# KiCad board Sensor_Unit.kicad_pcb
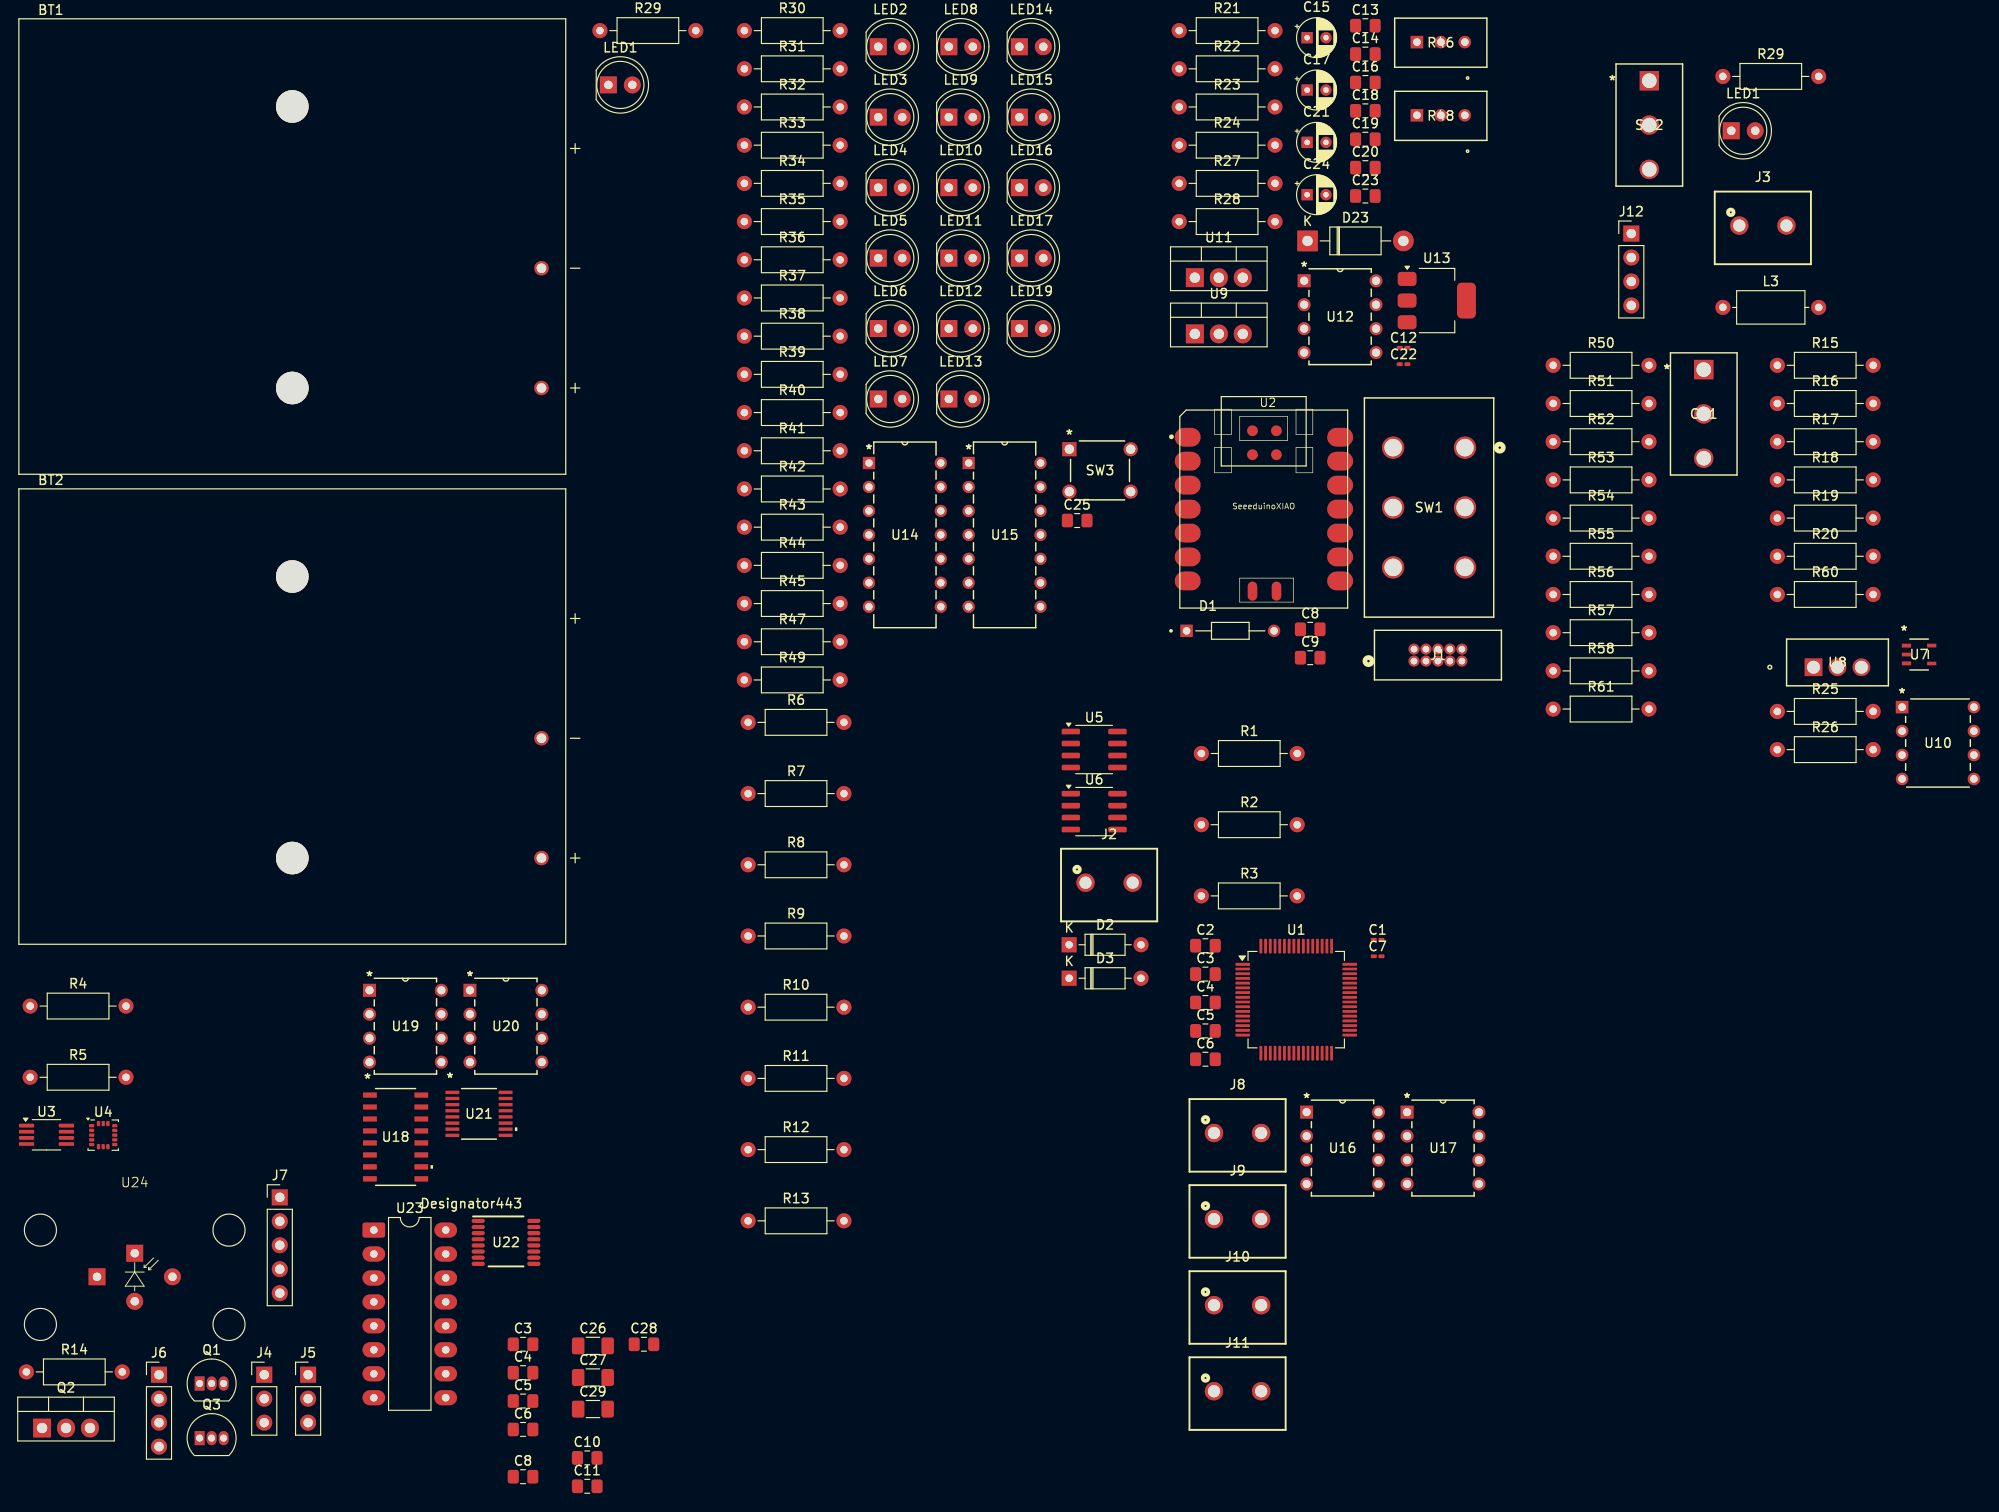
[diagram p0: board, top side]
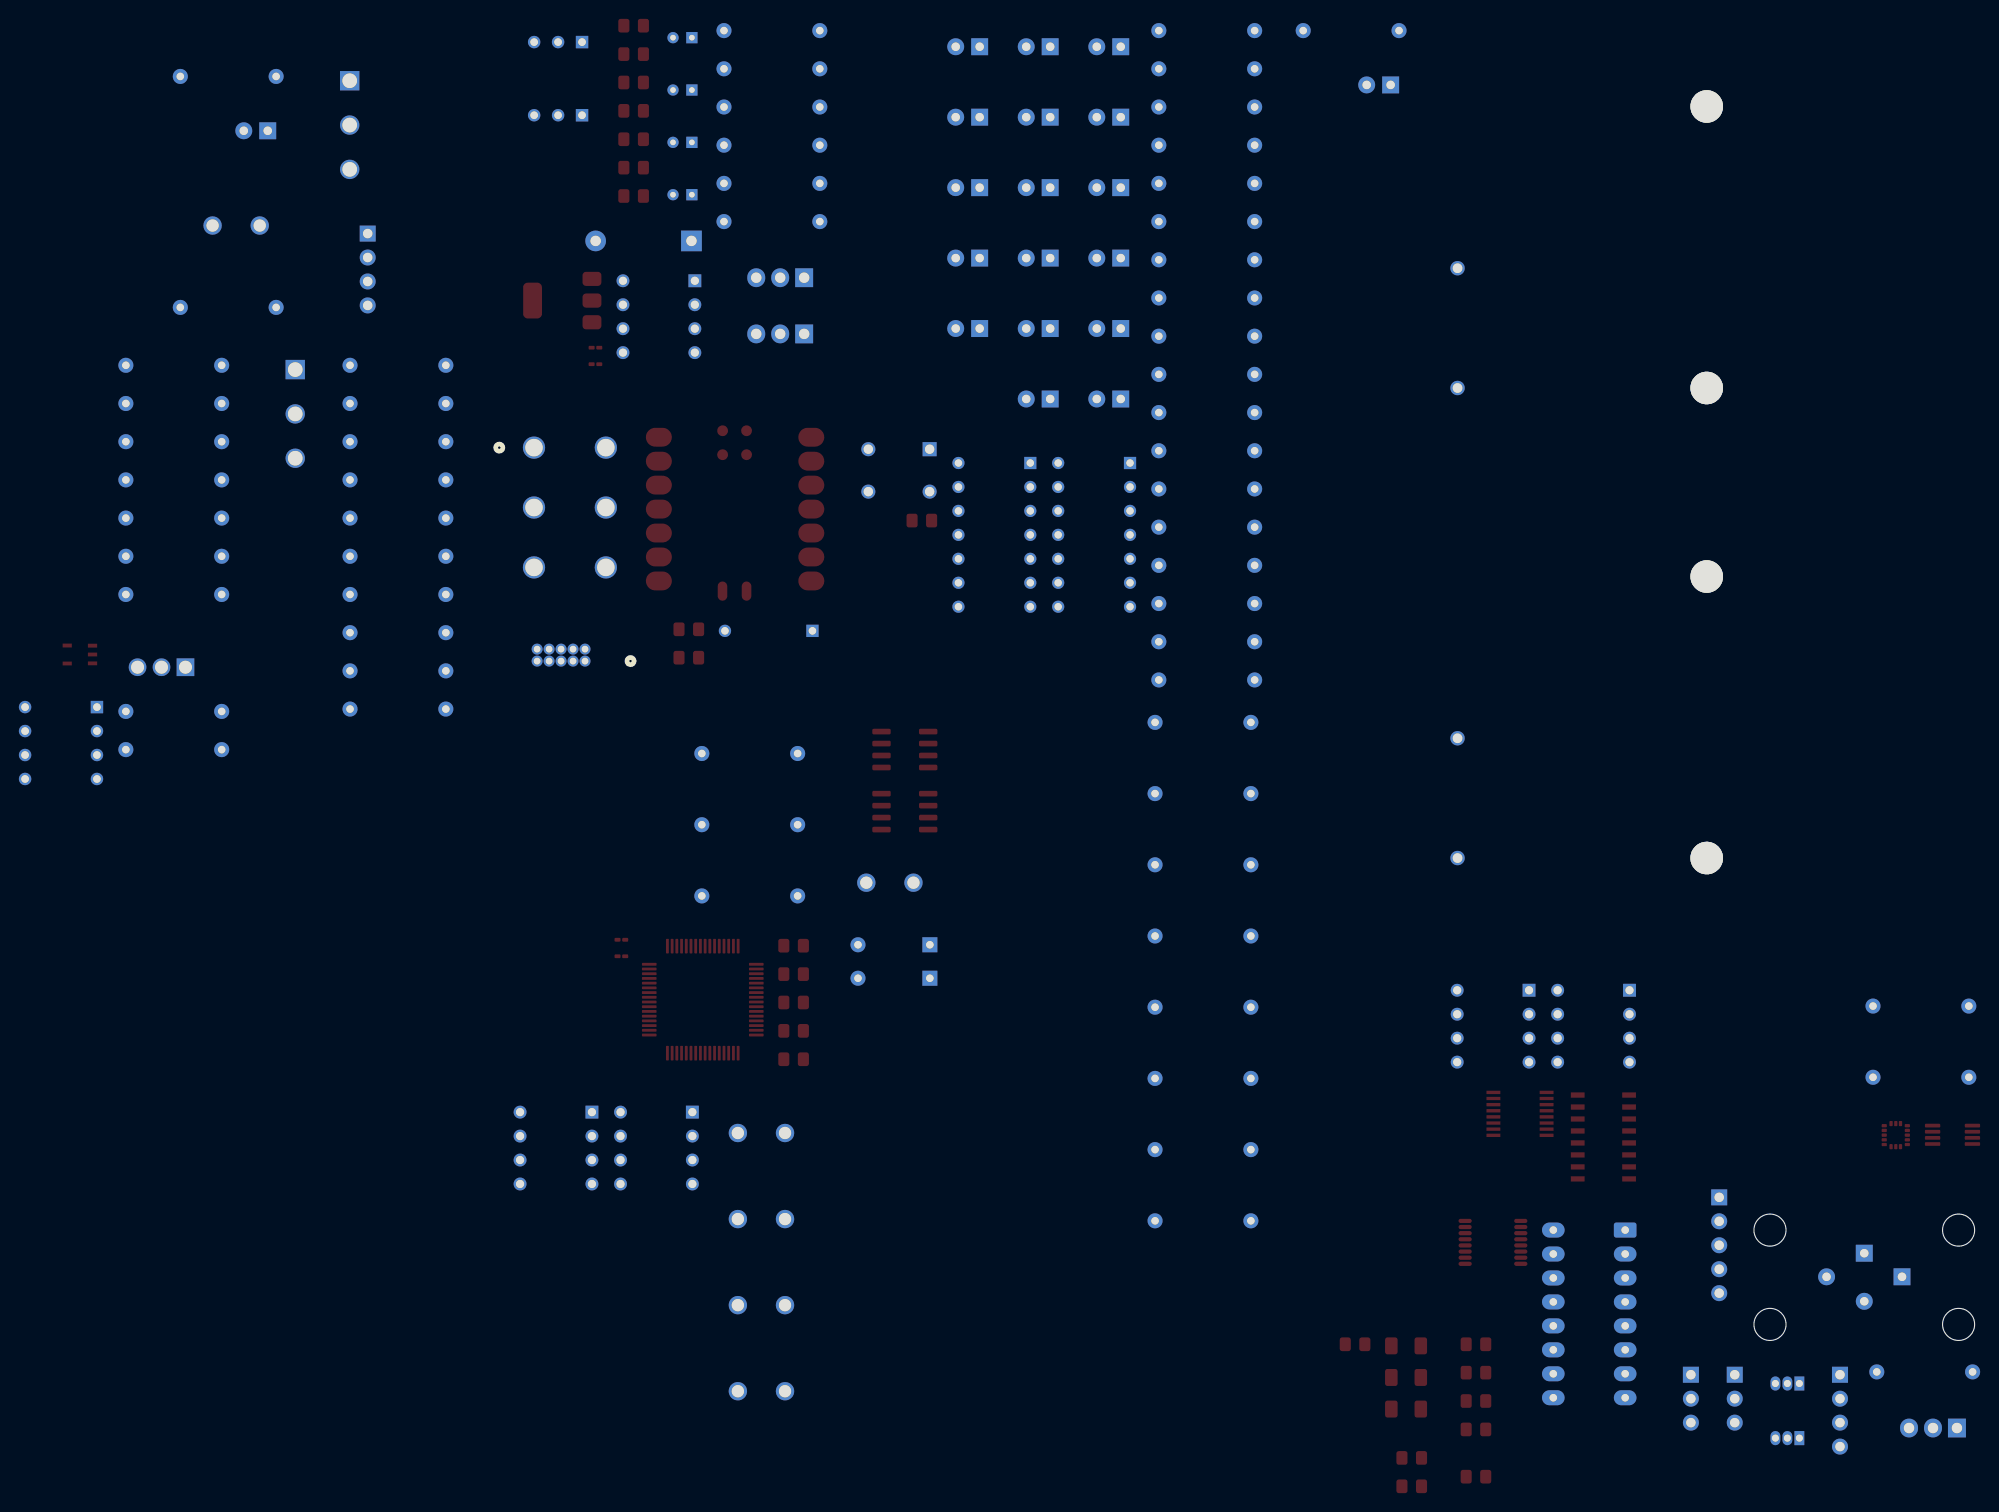
[diagram p1: board, bottom side, seen from below]

Outline 23.4 x 13.4 mm; copper layers: Top, Bottom. Coordinates in mm from the lower left corner of the outline.

## Placement (name value [footprint] x y rotation side)
BT1  2464  [BAT_2464]  28.41 115.99 0 top
BT2  2464  [BAT_2464]  28.41 66.15 0 top
C1  4.7u 10% 10V X5R  [C_0201_0603Metric_Pad0.64x0.40mm_HandSolder]  143.5 42.48 0 top
C2  100n  [C_0805_2012Metric_Pad1.18x1.45mm_HandSolder]  125.23 41.85 0 top
C3  100n  [C_0805_2012Metric_Pad1.18x1.45mm_HandSolder]  125.23 38.84 0 top
C3#2  100n  [C_0805_2012Metric_Pad1.18x1.45mm_HandSolder]  52.88 -0.41 0 top
C4  100n  [C_0805_2012Metric_Pad1.18x1.45mm_HandSolder]  125.23 35.84 0 top
C4#2  100n  [C_0805_2012Metric_Pad1.18x1.45mm_HandSolder]  52.88 -3.41 0 top
C5  100n  [C_0805_2012Metric_Pad1.18x1.45mm_HandSolder]  52.88 -6.43 0 top
C5#2  100n  [C_0805_2012Metric_Pad1.18x1.45mm_HandSolder]  125.23 32.82 0 top
C6  100n  [C_0805_2012Metric_Pad1.18x1.45mm_HandSolder]  125.23 29.81 0 top
C6#2  100n  [C_0805_2012Metric_Pad1.18x1.45mm_HandSolder]  52.88 -9.44 0 top
C7  1UF  [C_0201_0603Metric_Pad0.64x0.40mm_HandSolder]  143.5 40.73 0 top
C8  10u  [C_0805_2012Metric_Pad1.18x1.45mm_HandSolder]  136.34 75.41 0 top
C8#2  10u  [C_0805_2012Metric_Pad1.18x1.45mm_HandSolder]  52.88 -14.44 0 top
C9  10u  [C_0805_2012Metric_Pad1.18x1.45mm_HandSolder]  136.34 72.39 0 top
C10  10u  [C_0805_2012Metric_Pad1.18x1.45mm_HandSolder]  59.69 -12.46 0 top
C11  100n  [C_0805_2012Metric_Pad1.18x1.45mm_HandSolder]  59.69 -15.47 0 top
C12  1UF  [C_0201_0603Metric_Pad0.64x0.40mm_HandSolder]  146.25 105.26 0 top
C13  10u  [C_0805_2012Metric_Pad1.18x1.45mm_HandSolder]  142.19 139.41 0 top
C14  10u  [C_0805_2012Metric_Pad1.18x1.45mm_HandSolder]  142.19 136.39 0 top
C15  22uF  [CP_Radial_D4.0mm_P2.00mm]  136.02 138.13 0 top
C16  10u  [C_0805_2012Metric_Pad1.18x1.45mm_HandSolder]  142.19 133.38 0 top
C17  22uF  [CP_Radial_D4.0mm_P2.00mm]  136.02 132.58 0 top
C18  10u  [C_0805_2012Metric_Pad1.18x1.45mm_HandSolder]  142.19 130.38 0 top
C19  10u  [C_0805_2012Metric_Pad1.18x1.45mm_HandSolder]  142.19 127.36 0 top
C20  10u  [C_0805_2012Metric_Pad1.18x1.45mm_HandSolder]  142.19 124.35 0 top
C21  22uF  [CP_Radial_D4.0mm_P2.00mm]  136.02 127.03 0 top
C22  1UF  [C_0201_0603Metric_Pad0.64x0.40mm_HandSolder]  146.25 103.51 0 top
C23  10u  [C_0805_2012Metric_Pad1.18x1.45mm_HandSolder]  142.19 121.34 0 top
C24  22uF  [CP_Radial_D4.0mm_P2.00mm]  136.02 121.48 0 top
C25  100n  [C_0805_2012Metric_Pad1.18x1.45mm_HandSolder]  111.63 86.94 0 top
C26  0.1uF  [C_1206_3216Metric_Pad1.33x1.80mm_HandSolder]  60.29 -0.58 0 top
C27  0.1uF  [C_1206_3216Metric_Pad1.33x1.80mm_HandSolder]  60.29 -3.93 0 top
C28  330pF  [C_0805_2012Metric_Pad1.18x1.45mm_HandSolder]  65.7 -0.41 0 top
C29  0.1uF  [C_1206_3216Metric_Pad1.33x1.80mm_HandSolder]  60.29 -7.28 0 top
CR1  BZX55C3V3-TAP  [DO-35_VIS]  178.08 102.94 0 top
D1  7.5V 500mW 5%  [DIOAD928W47L399D179]  127.87 75.24 0 top
D2  1N4148  [D_DO-35_SOD27_P7.62mm_Horizontal]  110.78 41.95 0 top
D3  1N4148  [D_DO-35_SOD27_P7.62mm_Horizontal]  110.78 38.41 0 top
D23  1N5819  [D_DO-41_SOD81_P10.16mm_Horizontal]  136.06 116.58 0 top
J1  ETSG: 07-20-01  [CONN_3220-10-0100-00_CNC]  147.35 72.03 0 top
J2  Screw_Terminal_01x02  [691137710002]  115.02 48.54 0 top
J3  Screw_Terminal_01x02  [691137710002]  184.34 118.22 0 top
J4  Conn_01x03_Pin  [PinHeader_1x03_P2.54mm_Vertical]  25.43 -3.63 0 top
J5  Conn_01x03_Pin  [PinHeader_1x03_P2.54mm_Vertical]  30.08 -3.63 0 top
J6  Conn_01x04_Pin  [PinHeader_1x04_P2.54mm_Vertical]  14.27 -3.63 0 top
J7  Conn_01x05_Pin  [PinHeader_1x05_P2.54mm_Vertical]  27.08 15.17 0 top
J8  Screw_Terminal_01x02  [691137710002]  128.64 22 0 top
J9  Screw_Terminal_01x02  [691137710002]  128.64 12.87 0 top
J10  Screw_Terminal_01x02  [691137710002]  128.64 3.74 0 top
J11  Screw_Terminal_01x02  [691137710002]  128.64 -5.38 0 top
J12  Conn_01x04_Pin  [PinHeader_1x04_P2.54mm_Vertical]  170.39 117.36 0 top
L3  10uH  [L_Axial_L7.0mm_D3.3mm_P10.16mm_Horizontal_Fastron_MICC]  180.1 109.53 0 top
LED1  BLUE  [LED_D5.0mm_Clear]  61.92 133.12 0 top
LED1#2  BLUE  [LED_D5.0mm_Clear]  181 128.26 0 top
LED2  BLUE  [LED_D5.0mm_Clear]  90.54 137.18 0 top
LED3  BLUE  [LED_D5.0mm_Clear]  90.54 129.7 0 top
LED4  BLUE  [LED_D5.0mm_Clear]  90.54 122.23 0 top
LED5  BLUE  [LED_D5.0mm_Clear]  90.54 114.76 0 top
LED6  BLUE  [LED_D5.0mm_Clear]  90.54 107.29 0 top
LED7  BLUE  [LED_D5.0mm_Clear]  90.54 99.83 0 top
LED8  BLUE  [LED_D5.0mm_Clear]  98.02 137.18 0 top
LED9  BLUE  [LED_D5.0mm_Clear]  98.02 129.7 0 top
LED10  BLUE  [LED_D5.0mm_Clear]  98.02 122.23 0 top
LED11  BLUE  [LED_D5.0mm_Clear]  98.02 114.76 0 top
LED12  BLUE  [LED_D5.0mm_Clear]  98.02 107.29 0 top
LED13  BLUE  [LED_D5.0mm_Clear]  98.02 99.83 0 top
LED14  BLUE  [LED_D5.0mm_Clear]  105.5 137.18 0 top
LED15  BLUE  [LED_D5.0mm_Clear]  105.5 129.7 0 top
LED16  BLUE  [LED_D5.0mm_Clear]  105.5 122.23 0 top
LED17  BLUE  [LED_D5.0mm_Clear]  105.5 114.76 0 top
LED19  GREEN  [LED_D5.0mm_Clear]  105.5 107.29 0 top
Q1  2N3904  [TO-92_Inline]  18.58 -4.56 0 top
Q2  IRF9540N  [TO-220-3_Vertical]  1.87 -9.28 0 top
Q3  2N3904  [TO-92_Inline]  18.58 -10.35 0 top
R1  330R 1% 0.100W  [R_Axial_DIN0207_L6.3mm_D2.5mm_P10.16mm_Horizontal]  124.81 62.23 0 top
R2  330R 1% 0.100W  [R_Axial_DIN0207_L6.3mm_D2.5mm_P10.16mm_Horizontal]  124.81 54.69 0 top
R3  330R 1% 0.100W  [R_Axial_DIN0207_L6.3mm_D2.5mm_P10.16mm_Horizontal]  124.81 47.13 0 top
R4  3.3K  [R_Axial_DIN0207_L6.3mm_D2.5mm_P10.16mm_Horizontal]  0.61 35.45 0 top
R5  3.3K  [R_Axial_DIN0207_L6.3mm_D2.5mm_P10.16mm_Horizontal]  0.61 27.91 0 top
R6  13.4K  [R_Axial_DIN0207_L6.3mm_D2.5mm_P10.16mm_Horizontal]  76.74 65.53 0 top
R7  134K  [R_Axial_DIN0207_L6.3mm_D2.5mm_P10.16mm_Horizontal]  76.74 57.98 0 top
R8  6.7K  [R_Axial_DIN0207_L6.3mm_D2.5mm_P10.16mm_Horizontal]  76.74 50.44 0 top
R9  670  [R_Axial_DIN0207_L6.3mm_D2.5mm_P10.16mm_Horizontal]  76.74 42.88 0 top
R10  0R  [R_Axial_DIN0207_L6.3mm_D2.5mm_P10.16mm_Horizontal]  76.74 35.34 0 top
R11  0R  [R_Axial_DIN0207_L6.3mm_D2.5mm_P10.16mm_Horizontal]  76.74 27.78 0 top
R12  0R  [R_Axial_DIN0207_L6.3mm_D2.5mm_P10.16mm_Horizontal]  76.74 20.23 0 top
R13  0R  [R_Axial_DIN0207_L6.3mm_D2.5mm_P10.16mm_Horizontal]  76.74 12.69 0 top
R14  15  [R_Axial_DIN0207_L6.3mm_D2.5mm_P10.16mm_Horizontal]  0.21 -3.34 0 top
R15  100  [R_Axial_DIN0207_L6.3mm_D2.5mm_P10.16mm_Horizontal]  185.88 103.4 0 top
R16  10K  [R_Axial_DIN0207_L6.3mm_D2.5mm_P10.16mm_Horizontal]  185.88 99.35 0 top
R17  15  [R_Axial_DIN0207_L6.3mm_D2.5mm_P10.16mm_Horizontal]  185.88 95.3 0 top
R18  1K  [R_Axial_DIN0207_L6.3mm_D2.5mm_P10.16mm_Horizontal]  185.88 91.25 0 top
R19  1K  [R_Axial_DIN0207_L6.3mm_D2.5mm_P10.16mm_Horizontal]  185.88 87.2 0 top
R20  1K  [R_Axial_DIN0207_L6.3mm_D2.5mm_P10.16mm_Horizontal]  185.88 83.15 0 top
R21  1K  [R_Axial_DIN0207_L6.3mm_D2.5mm_P10.16mm_Horizontal]  122.45 138.88 0 top
R22  1K  [R_Axial_DIN0207_L6.3mm_D2.5mm_P10.16mm_Horizontal]  122.45 134.83 0 top
R23  150K  [R_Axial_DIN0207_L6.3mm_D2.5mm_P10.16mm_Horizontal]  122.45 130.78 0 top
R24  10K  [R_Axial_DIN0207_L6.3mm_D2.5mm_P10.16mm_Horizontal]  122.45 126.73 0 top
R25  47K  [R_Axial_DIN0207_L6.3mm_D2.5mm_P10.16mm_Horizontal]  185.88 66.7 0 top
R26  10K  [R_Axial_DIN0207_L6.3mm_D2.5mm_P10.16mm_Horizontal]  185.88 62.65 0 top
R27  47K  [R_Axial_DIN0207_L6.3mm_D2.5mm_P10.16mm_Horizontal]  122.45 122.69 0 top
R28  47K  [R_Axial_DIN0207_L6.3mm_D2.5mm_P10.16mm_Horizontal]  122.45 118.63 0 top
R29  R_US  [R_Axial_DIN0207_L6.3mm_D2.5mm_P10.16mm_Horizontal]  61.03 138.88 0 top
R29#2  R_US  [R_Axial_DIN0207_L6.3mm_D2.5mm_P10.16mm_Horizontal]  180.1 134.03 0 top
R30  R_US  [R_Axial_DIN0207_L6.3mm_D2.5mm_P10.16mm_Horizontal]  76.34 138.88 0 top
R31  R_US  [R_Axial_DIN0207_L6.3mm_D2.5mm_P10.16mm_Horizontal]  76.34 134.83 0 top
R32  R_US  [R_Axial_DIN0207_L6.3mm_D2.5mm_P10.16mm_Horizontal]  76.34 130.78 0 top
R33  R_US  [R_Axial_DIN0207_L6.3mm_D2.5mm_P10.16mm_Horizontal]  76.34 126.73 0 top
R34  R_US  [R_Axial_DIN0207_L6.3mm_D2.5mm_P10.16mm_Horizontal]  76.34 122.69 0 top
R35  R_US  [R_Axial_DIN0207_L6.3mm_D2.5mm_P10.16mm_Horizontal]  76.34 118.63 0 top
R36  R_US  [R_Axial_DIN0207_L6.3mm_D2.5mm_P10.16mm_Horizontal]  76.34 114.58 0 top
R37  R_US  [R_Axial_DIN0207_L6.3mm_D2.5mm_P10.16mm_Horizontal]  76.34 110.53 0 top
R38  R_US  [R_Axial_DIN0207_L6.3mm_D2.5mm_P10.16mm_Horizontal]  76.34 106.48 0 top
R39  R_US  [R_Axial_DIN0207_L6.3mm_D2.5mm_P10.16mm_Horizontal]  76.34 102.44 0 top
R40  R_US  [R_Axial_DIN0207_L6.3mm_D2.5mm_P10.16mm_Horizontal]  76.34 98.38 0 top
R41  R_US  [R_Axial_DIN0207_L6.3mm_D2.5mm_P10.16mm_Horizontal]  76.34 94.33 0 top
R42  R_US  [R_Axial_DIN0207_L6.3mm_D2.5mm_P10.16mm_Horizontal]  76.34 90.28 0 top
R43  R_US  [R_Axial_DIN0207_L6.3mm_D2.5mm_P10.16mm_Horizontal]  76.34 86.23 0 top
R44  R_US  [R_Axial_DIN0207_L6.3mm_D2.5mm_P10.16mm_Horizontal]  76.34 82.19 0 top
R45  R_US  [R_Axial_DIN0207_L6.3mm_D2.5mm_P10.16mm_Horizontal]  76.34 78.13 0 top
R46  3296W-1-104LF  [POT_3296W]  147.67 137.67 0 top
R47  1K 1% 0W125 100R  [R_Axial_DIN0207_L6.3mm_D2.5mm_P10.16mm_Horizontal]  76.34 74.08 0 top
R48  3296W-1-104LF  [POT_3296W]  147.67 129.91 0 top
R49  62R 5% 0.100W  [R_Axial_DIN0207_L6.3mm_D2.5mm_P10.16mm_Horizontal]  76.34 70.03 0 top
R50  10K  [R_Axial_DIN0207_L6.3mm_D2.5mm_P10.16mm_Horizontal]  162.11 103.4 0 top
R51  5K  [R_Axial_DIN0207_L6.3mm_D2.5mm_P10.16mm_Horizontal]  162.11 99.35 0 top
R52  5K  [R_Axial_DIN0207_L6.3mm_D2.5mm_P10.16mm_Horizontal]  162.11 95.3 0 top
R53  10K  [R_Axial_DIN0207_L6.3mm_D2.5mm_P10.16mm_Horizontal]  162.11 91.25 0 top
R54  10K  [R_Axial_DIN0207_L6.3mm_D2.5mm_P10.16mm_Horizontal]  162.11 87.2 0 top
R55  1K  [R_Axial_DIN0207_L6.3mm_D2.5mm_P10.16mm_Horizontal]  162.11 83.15 0 top
R56  1K  [R_Axial_DIN0207_L6.3mm_D2.5mm_P10.16mm_Horizontal]  162.11 79.1 0 top
R57  1K  [R_Axial_DIN0207_L6.3mm_D2.5mm_P10.16mm_Horizontal]  162.11 75.05 0 top
R58  1K  [R_Axial_DIN0207_L6.3mm_D2.5mm_P10.16mm_Horizontal]  162.11 71 0 top
R60  100  [R_Axial_DIN0207_L6.3mm_D2.5mm_P10.16mm_Horizontal]  185.88 79.1 0 top
R61  10K  [R_Axial_DIN0207_L6.3mm_D2.5mm_P10.16mm_Horizontal]  162.11 66.95 0 top
SW1  S201031MS02Q  [SW6_S201031MS02Q_CNK]  152.76 94.67 0 top
SW2  SLW-1276864-4A-D  [SLW-1276864_CUD]  172.3 133.57 0 top
SW3  1825910-6  [SW4_1825910-B_TEC]  117.31 90 0 top
U1  STM32L431RCT6  [LQFP-64_10x10mm_P0.5mm]  134.86 36.13 0 top
U2  SeeeduinoXIAO  [Seeeduino XIAO-MOUDLE14P-2.54-21X17.8MM]  122.52 77.65 0 top
U3  MCP9808_MSOP  [MSOP-8_3x3mm_P0.65mm]  2.34 21.81 0 top
U4  LIS3DH  [LGA-16_3x3mm_P0.5mm_LayoutBorder3x5y]  8.36 21.77 0 top
U5  LM334M 10 µA  [SOIC-8_3.9x4.9mm_P1.27mm]  113.44 62.66 0 top
U6  LM334M 200 µA  [SOIC-8_3.9x4.9mm_P1.27mm]  113.44 56.08 0 top
U7  AP3012KTR-G1  [SOT-23-5_DIO]  200.91 72.73 0 top
U8  LM340T-15/NOPB  [T03B_TEX]  189.72 71.38 0 top
U9  LM7805_TO220  [TO-220-3_Vertical]  124.11 106.72 0 top
U10  NJU7662D-ND  [NJR-DIP8_NJR]  199.1 67.16 0 top
U11  LM7905_TO220  [TO-220-3_Vertical]  124.11 112.69 0 top
U12  -  [TL072]  143.33 104.74 0 top
U13  AMS1117-3.3  [SOT-223-3_TabPin2]  149.76 110.26 0 top
U14  CD74HCT164E  [N14]  97.18 77.8 0 top
U15  CD74HCT164E  [N14]  107.75 77.8 0 top
U16  -  [TL072]  143.59 16.59 0 top
U17  -  [TL072]  154.24 16.59 0 top
U18  DG509BEY-T1-E3  [SOIC_8BEY-T1-E3_VIS]  39.36 21.58 0 top
U19  -  [TL072]  44.22 29.51 0 top
U20  -  [TL072]  54.87 29.51 0 top
U21  AD5262BRUZ50  [RU_16_ADI]  48.21 24.03 0 top
U22  ADS1119IPWR  [PW0016A_N]  51.07 10.4 0 top
U23  NAU7802KGI  [DIP-16_W7.62mm_LongPads]  37.05 11.7 0 top
U24  ~  [OPTIC3800T3]  11.7 16.75 0 top

## Library data of the parts
BT1 BT2 = -: PARTREV: G; STANDARD: Manufacturer Recommendations; MAXIMUM_PACKAGE_HEIGHT: 17.37mm; MANUFACTURER: Keystone
C1 = -: Description: 4.7u; Field5: 10%; Field6: 10V; Field7: X5R; ki_fp_filters: C_*
C2 C3#2 C4#2 C5 C6#2 C11 = -: Description: ETSG: 64-04-12; Field6: 10%; Field7: 50V; Field8: X7R; ki_fp_filters: C_*
C3 C4 C5#2 C6 C8 C8#2 C9 C15 C17 C21 C24 C26-C29 = -: Description: Unpolarized capacitor; ki_fp_filters: C_*
C7 = -: Description: 1uF; Field5: 10%; Field6: 50V; Field7: X7R; ki_fp_filters: C_*
C10 C13 C14 C16 C18-C20 C23 = -: Description: Unpolarized capacitor; Field5: 10uF; Field6: 10%; Field7: 16V; Field8: X5R; ki_fp_filters: C_*
C12 C22 = -: Description: 1uF /10% /50V /X7R; ki_fp_filters: C_*
C25 = -: Description: ETSG: 64-04-12; Field5: 100n /10% /50V /X7R; ki_fp_filters: C_*
CR1 = -: ki_fp_filters: DO-35_VIS
D1 = -: Description: ETSG: 04-61-01; PARTREV: G1804; MANUFACTURER: Taiwan Semiconductor; MAXIMUM_PACKAGE_HEIGHT: 2.28 mm; STANDARD: IPC-7351B
D2 D3 = -: Datasheet: https://assets.nexperia.com/documents/data-sheet/1N4148_1N4448.pdf; Description: 100V 0.15A standard switching diode, DO-35; Sim.Device: D; Sim.Pins: 1=K 2=A; ki_fp_filters: D*DO?35*
D23 = -: Datasheet: http://www.vishay.com/docs/88525/1n5817.pdf; Description: 40V 1A Schottky Barrier Rectifier Diode, DO-41; ki_fp_filters: D*DO?41*
J1 = -: Datasheet: 3220-10-0100-00; Description: J-Link Connector; Field5: 10 pins / 1.27mm / Box Header / Surface Mount; ki_fp_filters: CONN_3220-10-0100-00_CNC
J4 J5 = -: Description: Generic connector, single row, 01x03, script generated; ki_fp_filters: Connector*:*_1x??_*
J6 J12 = -: Description: Generic connector, single row, 01x04, script generated; ki_fp_filters: Connector*:*_1x??_*
J7 = -: Description: Generic connector, single row, 01x05, script generated; ki_fp_filters: Connector*:*_1x??_*
L3 = -: Description: Inductor; ki_fp_filters: Choke_* *Coil* Inductor_* L_*
LED1 LED1#2 = -: Description: Light emitting diode; Sim.Pins: 1=K 2=A; Field6: POWER LED; ki_fp_filters: LED* LED_SMD:* LED_THT:*
LED2-LED17 LED19 = -: Description: Light emitting diode; Sim.Pins: 1=K 2=A; ki_fp_filters: LED* LED_SMD:* LED_THT:*
Q1 Q3 = -: Datasheet: https://www.onsemi.com/pub/Collateral/2N3903-D.PDF; Description: 0.2A Ic, 40V Vce, Small Signal NPN Transistor, TO-92; ki_fp_filters: TO?92*
Q2 = -: Datasheet: http://www.irf.com/product-info/datasheets/data/irf9540n.pdf; Description: -23A Id, -100V Vds, 117mOhm Rds, P-Channel HEXFET Power MOSFET, TO-220; ki_fp_filters: TO?220*
R1-R29 R29#2 R30-R45 R47 R49-R58 R60 R61 = -: Description: Resistor, US symbol; ki_fp_filters: R_*
R46 R48 = -: ki_fp_filters: POT_3296W
SW1 = -: ki_fp_filters: SW6_S201031MS02Q_CNK
SW2 = -: ki_fp_filters: SLW-1276864_CUD
SW3 = -: ki_fp_filters: SW4_1825910-B_TEC
U1 = -: Datasheet: https://www.st.com/resource/en/datasheet/stm32l431rc.pdf; Description: STMicroelectronics Arm Cortex-M4 MCU, 256KB flash, 64KB RAM, 80 MHz, 1.71-3.6V, 52 GPIO, LQFP64; ki_fp_filters: LQFP*10x10mm*P0.5mm*
U3 = -: Datasheet: http://ww1.microchip.com/downloads/en/DeviceDoc/22203b.pdf; Description: ±0.25°C (±0.5°C) Typical (Maximum), Digital Temperature Sensor, MSOP-8; ki_fp_filters: MSOP*3x3mm*P0.65mm*
U4 = -: Datasheet: https://www.st.com/resource/en/datasheet/cd00274221.pdf; Description: 3-Axis Accelerometer, 2/4/8/16g range, I2C/SPI interface, LGA-16; ki_fp_filters: LGA*3x3mm*P0.5mm*LayoutBorder3x5y*
U5 U6 = -: Datasheet: http://www.ti.com/lit/ds/symlink/lm134.pdf; Description: 1μA to 10mA 3-Terminal Adjustable Current Source, SO-8; ki_fp_filters: SOIC*3.9x4.9m*P1.27mm*
U7 = -: ki_fp_filters: SOT-23-5_DIO SOT-23-5_DIO-M SOT-23-5_DIO-L
U8 = -: ki_fp_filters: T03B_TEX
U9 = -: Datasheet: https://www.onsemi.cn/PowerSolutions/document/MC7800-D.PDF; Description: Positive 1A 35V Linear Regulator, Fixed Output 5V, TO-220; ki_fp_filters: TO?220*
U10 = -: ki_fp_filters: NJR-DIP8_NJR
U11 = -: Datasheet: https://www.onsemi.com/pub/Collateral/MC7900-D.PDF; Description: Negative 1A 35V Linear Regulator, Fixed Output 5V, TO-220; ki_fp_filters: TO?220*
U12 U16 U17 U19 U20 = -: Datasheet: http://www.ti.com/lit/ds/symlink/tl071.pdf; Description: Dual Low-Noise JFET-Input Operational Amplifiers, DIP-8/SOIC-8; ki_fp_filters: SOIC*3.9x4.9mm*P1.27mm* DIP*W7.62mm* TO*99* OnSemi*Micro8* TSSOP*3x3mm*P0.65mm* TSSOP*4.4x3mm*P0.65mm* MSOP*3x3mm*P0.65mm* SSOP*3.9x4.9mm*P0.635mm* LFCSP*2x2mm*P0.5mm* *SIP* SOIC*5.3x6.2mm*P1.27mm*
U13 = -: Datasheet: http://www.advanced-monolithic.com/pdf/ds1117.pdf; Description: 1A Low Dropout regulator, positive, 3.3V fixed output, SOT-223; ki_fp_filters: SOT?223*TabPin2*
U14 U15 = -: ki_fp_filters: N14
U18 = -: ki_fp_filters: SOIC_8BEY-T1-E3_VIS SOIC_8BEY-T1-E3_VIS-M SOIC_8BEY-T1-E3_VIS-L
U21 = -: ki_fp_filters: RU_16_ADI RU_16_ADI-M RU_16_ADI-L
U22 = -: ki_fp_filters: PW0016A_N PW0016A_M PW0016A_L
U23 = -: MF: Nuvoton Technology; MAXIMUM_PACKAGE_HEIGHT: 5.334mm; Package: Package; Price: None; Check_prices: https://www.snapeda.com/parts/NAU7802KGI/Nuvoton/view-part/?ref=eda; STANDARD: IPC 7351B; PARTREV: 2.6; SnapEDA_Link: https://www.snapeda.com/parts/NAU7802KGI/Nuvoton/view-part/?ref=snap; Description_1: 24 Bit Analog to Digital Converter 2 Input 1 Sigma-Delta 16-PDIP; Availability: In Stock; MANUFACTURER: Nuvoton

## Footprints (pads in the part's own frame, mm; a bottom-side part is the same pattern mirrored in y, then rotated)
691137710002
  round 1.95 hole 1.3: 1(-2.5,0) 2(2.5,0)
BAT_2464
  round 3.45 hole 3.45 unplated: (0,14.85) (0,-15)
  round 1.53 hole 1.02: N(26.42,-2.3) P(26.42,-15)
C_0201_0603Metric_Pad0.64x0.40mm_HandSolder
  rrect 0.458x0.36 smd: (-0.432,0) (0.432,0)
  rrect 0.635x0.4 smd: 1(-0.407,0) 2(0.407,0)
C_0805_2012Metric_Pad1.18x1.45mm_HandSolder
  rrect 1.175x1.45 smd: 1(-1.038,0) 2(1.038,0)
C_1206_3216Metric_Pad1.33x1.80mm_HandSolder
  rrect 1.325x1.8 smd: 1(-1.562,0) 2(1.562,0)
CONN_3220-10-0100-00_CNC
  round 1.168 hole 0.711: 1(0,0) 2(0,1.27) 3(1.27,0) 4(1.27,1.27) 5(2.54,0) 6(2.54,1.27) 7(3.81,0) 8(3.81,1.27) 9(5.08,0) 10(5.08,1.27)
CP_Radial_D4.0mm_P2.00mm
  rect 1.2x1.2 hole 0.6: 1(0,0)
  round 1.2 hole 0.6: 2(2,0)
D_DO-35_SOD27_P7.62mm_Horizontal
  rect 1.6x1.6 hole 0.8: 1(0,0)
  oval 1.6x1.6 hole 0.8: 2(7.62,0)
D_DO-41_SOD81_P10.16mm_Horizontal
  rect 2.2x2.2 hole 1.1: 1(0,0)
  oval 2.2x2.2 hole 1.1: 2(10.16,0)
DIOAD928W47L399D179
  round 1.308 hole 0.8: A(4.64,0)
  rect 1.308x1.308 hole 0.8: C(-4.64,0)
DIP-16_W7.62mm_LongPads
  rrect 2.4x1.6 hole 0.8: 1(0,0)
  oval 2.4x1.6 hole 0.8: 2(0,-2.54) 3(0,-5.08) 4(0,-7.62) 5(0,-10.16) 6(0,-12.7) 7(0,-15.24) 8(0,-17.78) 9(7.62,-17.78) 10(7.62,-15.24) 11(7.62,-12.7) 12(7.62,-10.16) 13(7.62,-7.62) 14(7.62,-5.08) 15(7.62,-2.54) 16(7.62,0)
DO-35_VIS
  rect 2.057x2.057 hole 1.549: 1(0,0)
  round 2.057 hole 1.549: 2(0,-4.7) 3(0,-9.4)
L_Axial_L7.0mm_D3.3mm_P10.16mm_Horizontal_Fastron_MICC
  round 1.6 hole 0.8: 1(0,0)
  oval 1.6x1.6 hole 0.8: 2(10.16,0)
LED_D5.0mm_Clear
  rect 1.8x1.8 hole 0.9: 1(0,0)
  round 1.8 hole 0.9: 2(2.54,0)
LGA-16_3x3mm_P0.5mm_LayoutBorder3x5y
  rrect 0.55x0.35 smd: 1(-1.225,1) 2(-1.225,0.5) 3(-1.225,0) 4(-1.225,-0.5) 5(-1.225,-1) 9(1.225,-1) 10(1.225,-0.5) 11(1.225,0) 12(1.225,0.5) 13(1.225,1)
  rrect 0.35x0.55 smd: 6(-0.5,-1.225) 7(0,-1.225) 8(0.5,-1.225) 14(0.5,1.225) 15(0,1.225) 16(-0.5,1.225)
LQFP-64_10x10mm_P0.5mm
  rrect 1.55x0.3 smd: 1(-5.675,3.75) 2(-5.675,3.25) 3(-5.675,2.75) 4(-5.675,2.25) 5(-5.675,1.75) 6(-5.675,1.25) 7(-5.675,0.75) 8(-5.675,0.25) 9(-5.675,-0.25) 10(-5.675,-0.75) 11(-5.675,-1.25) 12(-5.675,-1.75) 13(-5.675,-2.25) 14(-5.675,-2.75) 15(-5.675,-3.25) 16(-5.675,-3.75) 33(5.675,-3.75) 34(5.675,-3.25) 35(5.675,-2.75) 36(5.675,-2.25) 37(5.675,-1.75) 38(5.675,-1.25) 39(5.675,-0.75) 40(5.675,-0.25) 41(5.675,0.25) 42(5.675,0.75) 43(5.675,1.25) 44(5.675,1.75) 45(5.675,2.25) 46(5.675,2.75) 47(5.675,3.25) 48(5.675,3.75)
  rrect 0.3x1.55 smd: 17(-3.75,-5.675) 18(-3.25,-5.675) 19(-2.75,-5.675) 20(-2.25,-5.675) 21(-1.75,-5.675) 22(-1.25,-5.675) 23(-0.75,-5.675) 24(-0.25,-5.675) 25(0.25,-5.675) 26(0.75,-5.675) 27(1.25,-5.675) 28(1.75,-5.675) 29(2.25,-5.675) 30(2.75,-5.675) 31(3.25,-5.675) 32(3.75,-5.675) 49(3.75,5.675) 50(3.25,5.675) 51(2.75,5.675) 52(2.25,5.675) 53(1.75,5.675) 54(1.25,5.675) 55(0.75,5.675) 56(0.25,5.675) 57(-0.25,5.675) 58(-0.75,5.675) 59(-1.25,5.675) 60(-1.75,5.675) 61(-2.25,5.675) 62(-2.75,5.675) 63(-3.25,5.675) 64(-3.75,5.675)
MSOP-8_3x3mm_P0.65mm
  rrect 1.625x0.4 smd: 1(-2.112,0.975) 2(-2.112,0.325) 3(-2.112,-0.325) 4(-2.112,-0.975) 5(2.112,-0.975) 6(2.112,-0.325) 7(2.112,0.325) 8(2.112,0.975)
N14
  rect 1.295x1.295 hole 0.787: 1(-7.62,15.24)
  round 1.295 hole 0.787: 2(-7.62,12.7) 3(-7.62,10.16) 4(-7.62,7.62) 5(-7.62,5.08) 6(-7.62,2.54) 7(-7.62,0) 8(0,0) 9(0,2.54) 10(0,5.08) 11(0,7.62) 12(0,10.16) 13(0,12.7) 14(0,15.24)
NJR-DIP8_NJR
  rect 1.321x1.321 hole 0.813: 1(0,0)
  round 1.321 hole 0.813: 2(0,-2.54) 3(0,-5.08) 4(0,-7.62) 5(7.62,-7.62) 6(7.62,-5.08) 7(7.62,-2.54) 8(7.62,0)
OPTIC3800T3
  rect 1.8x1.8 hole 0.9: 1(0,-7.5) 3(-4,-10)
  round 1.8 hole 0.9: 2(0,-12.6) 4(4,-10)
PinHeader_1x03_P2.54mm_Vertical
  rect 1.7x1.7 hole 1: 1(0,0)
  oval 1.7x1.7 hole 1: 2(0,-2.54) 3(0,-5.08)
PinHeader_1x04_P2.54mm_Vertical
  rect 1.7x1.7 hole 1: 1(0,0)
  oval 1.7x1.7 hole 1: 2(0,-2.54) 3(0,-5.08) 4(0,-7.62)
PinHeader_1x05_P2.54mm_Vertical
  rect 1.7x1.7 hole 1: 1(0,0)
  oval 1.7x1.7 hole 1: 2(0,-2.54) 3(0,-5.08) 4(0,-7.62) 5(0,-10.16)
POT_3296W
  round 1.321 hole 0.813: 1(5.08,0) 2(2.54,0)
  rect 1.321x1.321 hole 0.813: 3(0,0)
PW0016A_N
  oval 1.4x0.45 smd: 1(-2.95,2.275) 2(-2.95,1.625) 3(-2.95,0.975) 4(-2.95,0.325) 5(-2.95,-0.325) 6(-2.95,-0.975) 7(-2.95,-1.625) 8(-2.95,-2.275) 9(2.95,-2.275) 10(2.95,-1.625) 11(2.95,-0.975) 12(2.95,-0.325) 13(2.95,0.325) 14(2.95,0.975) 15(2.95,1.625) 16(2.95,2.275)
R_Axial_DIN0207_L6.3mm_D2.5mm_P10.16mm_Horizontal
  round 1.6 hole 0.8: 1(0,0)
  oval 1.6x1.6 hole 0.8: 2(10.16,0)
RU_16_ADI
  rect 1.473x0.356 smd: 1(-2.819,2.275) 2(-2.819,1.625) 3(-2.819,0.975) 4(-2.819,0.325) 5(-2.819,-0.325) 6(-2.819,-0.975) 7(-2.819,-1.625) 8(-2.819,-2.275) 9(2.819,-2.275) 10(2.819,-1.625) 11(2.819,-0.975) 12(2.819,-0.325) 13(2.819,0.325) 14(2.819,0.975) 15(2.819,1.625) 16(2.819,2.275)
Seeeduino XIAO-MOUDLE14P-2.54-21X17.8MM
  oval 2.748x1.999 smd: 1(0.833,18.118) 2(0.833,15.578) 3(0.833,13.038) 4(0.833,10.498) 5(0.833,7.958) 6(0.833,5.418) 7(0.833,2.878) 8(16.998,2.878) 9(16.998,5.418) 10(16.998,7.958) 11(16.998,10.498) 12(16.998,13.038) 13(16.998,15.578) 14(16.998,18.118)
  oval 1.016x2.032 smd: 15(7.7,1.8) 16(10.25,1.8)
  round 1.143 smd: 17(7.699,18.804) 18(10.239,18.804) 19(7.699,16.264) 20(10.239,16.264)
SLW-1276864_CUD
  rect 2.057x2.057 hole 1.549: 1(0,0)
  round 2.057 hole 1.549: 2(0,-4.7) 3(0,-9.4)
SOIC-8_3.9x4.9mm_P1.27mm
  rrect 1.95x0.6 smd: 1(-2.475,1.905) 2(-2.475,0.635) 3(-2.475,-0.635) 4(-2.475,-1.905) 5(2.475,-1.905) 6(2.475,-0.635) 7(2.475,0.635) 8(2.475,1.905)
SOIC_8BEY-T1-E3_VIS
  rect 1.46x0.559 smd: 1(-2.724,4.445) 2(-2.724,3.175) 3(-2.724,1.905) 4(-2.724,0.635) 5(-2.724,-0.635) 6(-2.724,-1.905) 7(-2.724,-3.175) 8(-2.724,-4.445) 9(2.724,-4.445) 10(2.724,-3.175) 11(2.724,-1.905) 12(2.724,-0.635) 13(2.724,0.635) 14(2.724,1.905) 15(2.724,3.175) 16(2.724,4.445)
SOT-23-5_DIO
  rect 0.978x0.406 smd: 1(-1.34,0.94) 2(-1.34,0) 3(-1.34,-0.94) 4(1.34,-0.953) 5(1.34,0.953)
SOT-223-3_TabPin2
  rrect 2x1.5 smd: 1(-3.15,2.3) 2(-3.15,0) 3(-3.15,-2.3)
  rrect 2x3.8 smd: 2(3.15,0)
SW4_1825910-B_TEC
  rect 1.499x1.499 hole 0.991: 1(-6.5,4.5)
  round 1.499 hole 0.991: 2(0,4.5) 3(-6.5,0) 4(0,0)
SW6_S201031MS02Q_CNK
  round 2.362 hole 1.854: 1(0,0) 2(0,-6.35) 3(0,-12.7) 4(-7.62,0) 5(-7.62,-6.35) 6(-7.62,-12.7)
T03B_TEX
  rect 1.88x1.88 hole 1.372: 1(0,0)
  round 1.88 hole 1.372: 2(2.54,0) 3(5.08,0)
TL072
  rect 1.372x1.372 hole 0.864: 1(-7.62,7.62)
  round 1.372 hole 0.864: 2(-7.62,5.08) 3(-7.62,2.54) 4(-7.62,0) 5(0,0) 6(0,2.54) 7(0,5.08) 8(0,7.62)
TO-92_Inline
  rect 1.05x1.5 hole 0.75: 1(0,0)
  oval 1.05x1.5 hole 0.75: 2(1.27,0) 3(2.54,0)
TO-220-3_Vertical
  rect 1.905x2 hole 1.1: 1(0,0)
  oval 1.905x2 hole 1.1: 2(2.54,0) 3(5.08,0)

## Nets
17V: C13.1 C14.1 D23.1 R23.2 U8.1
+3.3V: C26.1 C27.1 J5.3 U22.3 U22.9 U22.12 U22.13 U23.1 U23.15
+3V3: C1.1 C2.1 C3.1 C3#2.1 C4.1 C4#2.1 C5.1 C5#2.1 C6.1 C6#2.1 C7.1 C9.1 C24.1 J1.1 J6.1 J7.2 Q1.3 Q2.3 R20.2 R27.2 R29.2 R29#2.2 R48.3 SW1.4 U1.1 U1.19 U1.32 U1.48 U1.64 U13.2 U14.2 U14.9 U14.14 U15.2 U15.9 U15.14 U18.2 U21.6 U21.10 U21.13 U24.1
+5V: C8.1 C8#2.1 C17.1 C23.1 D1.C J7.1 R16.2 U9.3 U13.3 U21.5
+9V: C12.2 L3.1 R21.2 SW2.1 U7.5
+15V: C15.1 C16.1 C22.2 U8.3 U9.1 U10.8 U12.8 U16.8 U17.8 U18.14 U19.8 U20.8
-1V65: R57.1 U12.1 U12.2
-5V: C21.1 U11.2 U21.12
-15V: C19.1 C20.1 R25.2 R46.1 U10.5 U11.3 U12.4 U16.4 U17.4 U18.3 U19.4 U20.4
GND: BT2.N C1.2 C2.2 C3.2 C3#2.2 C4.2 C4#2.2 C5.2 C5#2.2 C6.2 C6#2.2 C7.2 C8.2 C8#2.2 C9.2 C10.2 C11.2 C12.1 C13.2 C14.2 C15.2 C16.2 C17.2 C19.2 C20.2 C21.2 C22.1 C23.2 C24.2 C26.2 C27.2 C29.2 CR1.2 J1.2 J1.3 J1.5 J2.2 J3.2 J4.1 J7.5 J8.2 J9.2 J10.2 J11.2 LED1.1 LED1#2.1 LED2.1 LED3.1 LED4.1 LED5.1 LED6.1 LED7.1 LED8.1 LED9.1 LED10.1 LED11.1 LED12.1 LED13.1 LED14.1 LED15.1 LED16.1 LED17.1 LED19.1 Q3.1 R19.1 R22.1 R24.1 R26.1 R28.1 R46.3 R47.2 R48.1 R51.1 R54.1 R55.1 R61.1 SW2.3 U1.12 U1.13 U1.18 U1.31 U1.47 U1.63 U2.13 U3.4 U3.5 U3.6 U4.5 U4.7 U4.10 U4.12 U7.2 U8.2 U9.2 U10.3 U11.1 U13.1 U14.7 U15.7 U18.15 U21.11 U21.14 U22.1 U22.2 U22.4 U22.5 U22.6 U22.7 U22.8 U23.7 U23.8 U23.9
VDD +3.3V: C10.1 C11.1 R4.2 R5.2 U3.7 U3.8 U4.1 U4.8 U4.14
VDD +10V: U5.4 U6.4
/Optical Link/FD_AN: J6.2 R18.1 U24.2
/Optical Link/LED_AN: J5.2 J6.4 U24.4
/Optical Link/LED_CA: J4.2 J6.3 U24.3
/range_switching/POT_1B: R56.1 U19.7 U21.4
/range_switching/POT_1W: R54.2 U19.6 U21.3
/range_switching/POT_2W: R53.2 U19.5 U21.15
/Sensor MCU/SCK: U1.23
/Sensor MCU/SPI_MISO: R3.1
/Sensor MCU/SPI_MISO_WEAK: R3.2
/Sensor MCU/SPI_SCK: R1.1
/Xiao and Jlink/JLink_SWO: J1.8
ADC1_IN1: J12.3 U1.8
ADC1_IN2: U1.9 U12.6 U12.7 U22.10 U23.2
ADS1119_AINP: J12.1 U22.11
ALARM_CLK: U1.11 U14.8 U15.8
ALARM_LED: U1.10 U14.1
AMUX_A0: U1.61 U18.1
AMUX_A1: U1.62 U18.16
CH1_Buffered: U16.1 U16.2 U18.4
CH2_Buffered: U16.6 U16.7 U18.5
CH3_Buffered: U17.1 U17.2 U18.6
CH4_Buffered: U17.6 U17.7 U18.7
CS_POT: U1.24 U21.9
I2C_SCL: R4.1 U1.58 U3.2 U4.4 U22.16 U23.13
I2C_SDA: R5.1 U1.59 U3.1 U4.6 U22.15 U23.14
JLink_CLK: J1.7 U1.49
JLink_RST: C25.2 J1.10 SW3.3 SW3.4 U1.7
JLink_SW0: U1.55
JLink_SWDIO: J1.6 U1.46
NAU7802_VIN1P: J12.4 U23.3
POWER_LED: U1.28
RX_OPTICAL: J7.4 Q3.3 R20.1 U1.17
SAMPLING_LED: R49.2 U1.27
SPI_CLK: R1.2 U21.7
SPI_MOSI: R2.1 R2.2 U21.8
STM_RX: U1.43 U2.8
STM_TX: U1.42 U2.7
TX_OPTICAL: J7.3 R14.1 R15.1 U1.16
Net-(BT1-PadN): BT1.N BT2.P
Net-(BT1-PadP): BT1.P SW2.2
Net-(C25-Pad1): C25.1 R47.1 SW3.1 SW3.2
Net-(D1-PadA): D1.A SW1.5
Net-(D2-A): D2.2 R10.1 U5.2 U5.3 U5.6 U5.7
Net-(D2-K): D2.1 J2.1 R11.1
Net-(D3-A): D3.2 R13.1 U6.2 U6.3 U6.6 U6.7
Net-(D3-K): D3.1 J3.1 R12.1
Net-(D23-A): D23.2 L3.2 U7.1
Net-(J4-Pin_3): J4.3 R14.2
Net-(J5-Pin_1): J5.1 R17.2
Net-(J12-Pin_2): CR1.1 J12.2 R58.2 U20.1
Net-(LED1-A): LED1.2 LED1#2.2 R29.1 R29#2.1
Net-(LED2-A): LED2.2 R30.2
Net-(LED3-A): LED3.2 R31.2
Net-(LED4-A): LED4.2 R32.2
Net-(LED5-A): LED5.2 R33.2
Net-(LED6-A): LED6.2 R34.1
Net-(LED7-A): LED7.2 R35.1
Net-(LED8-A): LED8.2 R36.1
Net-(LED9-A): LED9.2 R37.1
Net-(LED10-A): LED10.2 R38.2
Net-(LED11-A): LED11.2 R39.2
Net-(LED12-A): LED12.2 R40.2
Net-(LED13-A): LED13.2 R41.2
Net-(LED14-A): LED14.2 R42.1
Net-(LED15-A): LED15.2 R43.1
Net-(LED16-A): LED16.2 R44.1
Net-(LED17-A): LED17.2 R45.1
Net-(LED19-A): LED19.2 R49.1
Net-(Q1-B): Q1.2 R18.2
Net-(Q1-E): Q1.1 R19.2 R60.1
Net-(Q2-D): Q2.2 R17.1
Net-(Q2-G): Q2.1 R15.2 R16.1
Net-(Q3-B): Q3.2 R60.2
Net-(R6-Pad2): R6.2 R7.2 U5.1
Net-(R8-Pad1): R8.1 R9.2 U6.1
Net-(R10-Pad2): R6.1 R10.2
Net-(R11-Pad2): R7.1 R11.2
Net-(R12-Pad2): R8.2 R12.2
Net-(R13-Pad2): R9.1 R13.2
Net-(R52-Pad2): R52.2 R53.1 U19.1
Net-(SW1-Pad1): SW1.1 U2.14
Net-(U2-3V3): SW1.2 U2.12
Net-(U7-*SHDN): R21.1 R22.2 U7.4
Net-(U7-FB): R23.1 R24.2 U7.3
Net-(U10-C+): C18.1 U10.2
Net-(U10-C-): C18.2 U10.4
Net-(U12A-+): R25.1 R26.2 R46.2 U12.3
Net-(U12B-+): R27.1 R28.2 R48.2 U12.5
Net-(U14-Q0): R30.1 U14.3
Net-(U14-Q1): R31.1 U14.4
Net-(U14-Q2): R32.1 U14.5
Net-(U14-Q3): R33.1 U14.6
Net-(U14-Q4): R37.2 U14.10
Net-(U14-Q5): R36.2 U14.11
Net-(U14-Q6): R35.2 U14.12
Net-(U14-Q7): R34.2 U14.13 U15.1
Net-(U15-Q0): R38.1 U15.3
Net-(U15-Q1): R39.1 U15.4
Net-(U15-Q2): R40.1 U15.5
Net-(U15-Q3): R41.1 U15.6
Net-(U15-Q4): R45.2 U15.10
Net-(U15-Q5): R44.2 U15.11
Net-(U15-Q6): R43.2 U15.12
Net-(U15-Q7): R42.2 U15.13
Net-(U16A-+): J8.1 U16.3
Net-(U16B-+): J9.1 U16.5
Net-(U17A-+): J10.1 U17.3
Net-(U17B-+): J11.1 U17.5
Net-(U18-DA): R50.1 U18.8
Net-(U19A-+): R50.2 R51.2 U19.3
Net-(U19A--): R52.1 R61.2 U19.2
Net-(U20A-+): R55.2 R56.2 U20.3
Net-(U20A--): R57.2 R58.1 U20.2
Net-(U23-VBG): C29.1 U23.6
Net-(U23-VIN2N): C28.1 U23.4
Net-(U23-VIN2P): C28.2 U23.5

Pads without a net: CR1 3; J1 4 9; SW1 3 6; U1 2 3 4 5 6 14 15 20 21 22 25 26 29 30 33 34 35 36 37 38 39 40 41 44 45 50 51 52 53 54 56 57 60; U2 1 2 3 4 5 6 9 10 11 15 16 17 18 19 20; U3 3; U4 2 3 9 11 13 15 16; U5 5 8; U6 5 8; U10 1 6 7; U18 9 10 11 12 13; U20 5 6 7; U21 1 2 16; U22 14; U23 10 11 12 16
